# Altium PCB PCB1.PcbDoc (continued)
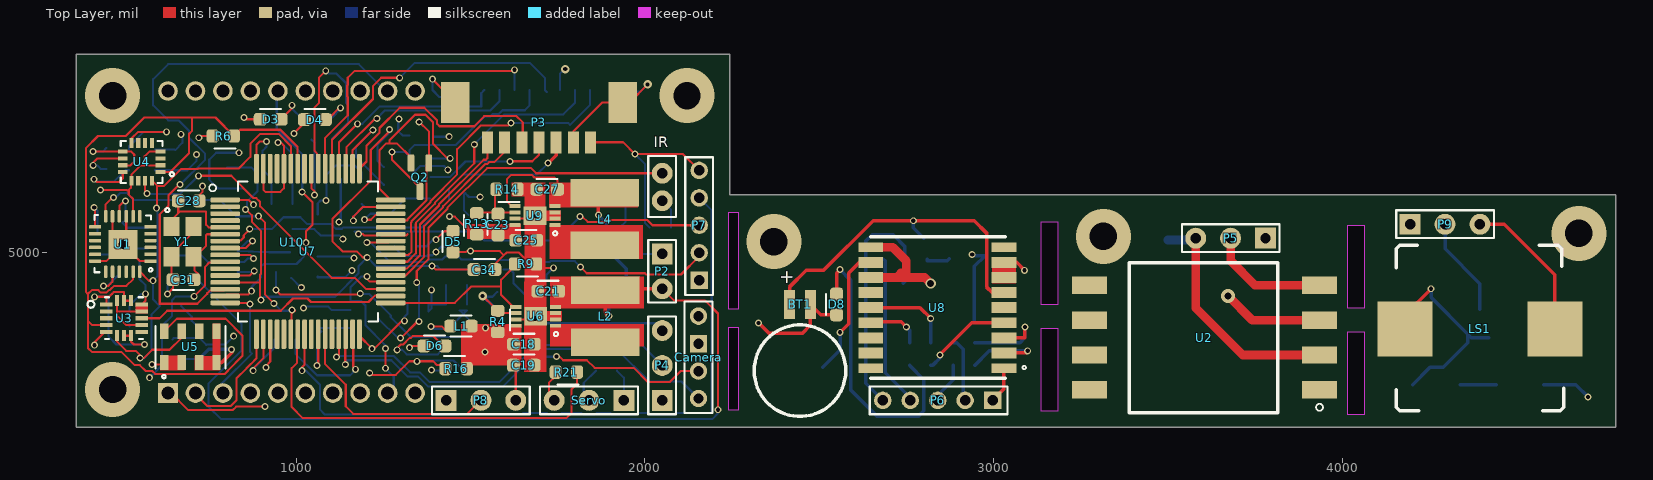
[diagram p0: Top Layer view]
## Nets (pads, with @x,y where several pads share a name; then routed paths per layer and width w, separated by ;. In a path a pad name is that pad's centre, name@x,y a point inside that pad or via, vN(x,y) a via of type N, cw(c..) or ccw(c..) an arc to the next point about the centre after c; other vN are vias at no path point)
3V3: C23.2 C24.2 C25.2 C35.1 C36.1 C39.1 C40.1 C41.1 C45.1 L3.1 P3.1 P6.5 P7.5 Q1.2 Q2.2 R3.2 R13.1 R15.2 R20.2 Rl3.2 U7.1 U7.19 U7.32 U7.48 U7.64 U9.8 U10.1 | length 3640.4
  Top Layer w6: U10.1@629.67,4598.93 630.67,4597.93 639.63,4597.93 690.78,4546.78 817.75,4546.78 827.97,4557 v1(911,4557) ; U7.1 864.36,5149.64 v1(878,5136) ; U7.64 886.36,5308.36 895,5317 v1(915,5317) ; v1(914,4669) 914,4674.54 925.73,4686.27 U7.19 ; U7.32 1181.64,4759.36 v1(1218,4723) 1224,4723 1311,4810 v1(1311,4803) ; U7.48 1239,5182.04 1239,5292 1259,5312 1268,5312 ; Q2.2 1329.41,5271.59 1289,5312 1268,5312 ; v1@1436,5269 v1(1442,5269) 1434,5269 1392.59,5310.41 1392.59,5372.41 1371,5394 1341,5394 1268,5321 1268,5312 ; v1(1440,5102) 1455.29,5102 1508,5049.29 R13.1@1510,5049.29 ; P3.1 1938,5315 v1(1972,5281) 2109.48,5281 P7.5
  Bottom Layer w6: v1(915,5317) 915,5302 904,5291 904,5236 C39.1 C35.1 ; C40.1@1062,4930 1062,4928 C36.1 1141,4928 v1(1160,4947) ; C45.1@1062,5108 1062,5140 1070,5148 v1(1086,5148) 1087,5149 1087,5222 1113,5248 1169,5248 1188,5229 C41.1 ; Rl3.2 1282.29,5013.71 1307.29,4988.71 1374.87,4988.71 1377.16,4991 1391.16,4991 1400.16,5000 v1(1401,5000) 1417,5016 L3.1 ; v1(1311,4803) 1311,4815 1320,4824 C24.2 ; R15.2@1385,5274.29 1390.29,5269 v1(1442,5269) ; v1(1972,5281) 2001,5252 2001,5083.29 R20.2
  Bottom Layer w10: P6.5 2634,4623.52 2634,5032 2652,5050 2712,5050 2745.71,5016.29 2745.71,4915.67 Q1.2
3V3A: C26.2 C34.2 C38.1 C42.1 L3.2 Q5.2 R19.2 U7.13 | length 2068.3
  Top Layer w6: U7.13 894.29,4913.42 897,4916.13 ; v1(855,5122) 857,5122 873,5106 873,5086.87 899,5060.87 899,4938.13 897,4936.13 897,4916.13 ; v1(899,4863.13) 897,4865.13 897,4916.13 ; v1(1204,4985) 1190.87,4985 1173.87,5002 1133,5002 1104,5031 1104,5095 1214,5205 1214,5293 1268,5347 v1(1268,5352) ; v1(1390,4960) 1400,4950 C34.2
  Bottom Layer w6: 802,5243 C38.1 871,5243 889,5225 889,5174 859,5144 859,5126 v1(855,5122) ; v1(899,4863.13) 907.87,4872 1111.87,4872 1179,4939.13 1179,4960 v1(1204,4985) 1229,4960 v1(1390,4960) 1405,4960 1415,4950 C26.2 ; Q5.2 1233.71,5261.33 1233.71,5287 1233.71,5308.71 1268,5343 v1(1268,5352)
5V: C14.2 C18.2 C19.2 C43.1 Camera.1 D11.1 L1.1 LS1.2 P8.3 P9.3 R4.2 R16.2 Rl4.2 Servo.2 U6.8 | length 884.5
  Top Layer w6: C19.2 1630,4669 P8.3
  Top Layer w10: P9.3 4465,5080 4610,4935 LS1.2
  Bottom Layer w6: Rl4.2@1488.71,4736 1509,4736 1531,4714 v1(1542,4714) ; v1(1543,4783) 1544.97,4783 1545.97,4784 1559.97,4770 C14.2 ; Servo.2@1825,4575 1825,4625 C43.1
  Bottom Layer w10: D11.1 4670,4620 v1(4705,4585)
5VA: C1.1 C20.2 C33.2 L1.2 P4.3 P5.3 U2.2 | length 1590.8
  Top Layer w6: v1(1387,4787) 1418,4787 L1.2@1430,4775
  Top Layer w25: P5.3@3580,5030 3580,4840 3715,4705 U2.2
  Bottom Layer w6: v1(1387,4787) 1387,4780 1388,4779 1436,4779 1490,4833 1469,4833 1524,4778 1524,4775.13 1554.13,4745 1554.84,4745 1557.34,4742.5 1647.19,4742.5 1700.7,4796 2029,4796 P4.3 ; C33.2@1490,4850 C20.2@1490,4905
  Bottom Layer w25: C1.1 3575,5035 P5.3@3580,5030
ADC_5V: R16.1 R18.2 U7.10 | length 1529.8
  Top Layer w6: v1(707.71,4873.29) 739,4904.58 739,4957.68 751.8,4970.48 U7.10@794.61,4970.48 ; v1(1211,4653) 1216,4648 1286,4648 1325,4687 v1(1347,4687) 1393,4687 1404,4676 R16.1@1432.29,4676
  Top Layer w10: U7.10@794.61,4970.48 U7.10
  GND w6: v1(580,4640) 586.92,4633.08 726.8,4633.08 727.8,4632.08 773.76,4632.08 774.76,4633.08 805.54,4633.08 806.54,4632.08 852.5,4632.08 853.5,4633.08 884.28,4633.08 885.28,4632.08 931.24,4632.08 932.24,4633.08 963.02,4633.08 964.02,4632.08 1009.98,4632.08 1010.98,4633.08 1041.76,4633.08 1042.76,4632.08 1088.72,4632.08 1089.72,4633.08 1120.5,4633.08 1121.5,4632.08 1167.46,4632.08 1168.46,4633.08 1198.08,4633.08 1211,4646 v1(1211,4653)
  Bottom Layer w6: v1@580,4639 v1(580,4640) 615.5,4675.5 615.5,4788.5 644.58,4817.58 644.58,4862.9 654.97,4873.29 v1(707.71,4873.29) ; v1(1347,4687) 1349.29,4689.29 1451.29,4689.29 1479.58,4661 R18.2
ADC_BAT: R17.1 R25.2 U7.9 | length 331.7
  Top Layer w6: U7.9 867.84,4992.16 v1(878,4982)
  Bottom Layer w6: R25.2 R17.1 728.29,4990.71 747,4972 852,4972 862,4982 v1(878,4982)
ADC_PITOT: C5.1 R1.1 R2.2 U7.8 | length 292.7
  Top Layer w6: U7.8 855.84,5011.84 875,5031 v1(875,5032)
  Bottom Layer w6: C5.1 C5.1@832.71,5003.71 ; v1(875,5032) 861,5032 C5.1@832.71,5003.71 ; R2.2@983,4999.71 923,4999.71 C5.1@832.71,5003.71
DEBUG_RX: P3.7 U7.38 | length 507.4
  Top Layer w6: U7.38 1316.82,4952.79 1355.37,4991.34 1355.37,5066.12 1355.19,5066.3 1355.19,5076.24 1355.37,5076.43 1355.37,5079.33 1409.84,5133.81 1409.84,5136.78 1538.06,5265 1543.94,5265 1548.94,5270 P3.7
DEBUG_TX: P3.6 U7.37 | length 554.1
  Top Layer w6: U7.37 1314.1,4933.1 1367.37,4986.37 1367.37,5071.09 1367.19,5071.27 1367.37,5071.45 1367.37,5074.36 1421.84,5128.84 1421.84,5131.81 1543.03,5253 1548.91,5253 1553.91,5258 1568,5258 1598.15,5288.15 P3.6
ERR_LED: ERR.2 U7.56 | length 241.2
  Top Layer w6: U7.56 1043.84,5183.16 1053,5174 v1(1053,5164)
  Bottom Layer w6: ERR.2@1044,5322.29 1053,5313.29 v1(1053,5164)
GND: BT1.2 C1.2 C3.2 C4.1 C5.2 C6.2 C7.2 C8.2 C9.2 C10.2 C11.2 C12.2 C13.2 C15.2 C16.2 C17.2 C18.1 C19.1 C20.1 C21.2 C22.2 C24.1 C25.1 C26.1 C27.2 C28.1 C29.2 C31.1 C32.2 C33.1 C34.1 C35.2 C36.2 C38.2 C39.2 C40.2 C41.2 C42.2 C43.2 C45.2 Camera.2 Cr.2 D3.2 D4.2 D5.2 D6.2 D8.2 P1.2 P1.3 P1.4 P2.1 P3.2 P4.1 P5.1 P6.1 P7.1 P8.1 P9.1 Q3.2 Q4.2 R2.1 R8.1 R9.1 R14.1 R18.1 R22.2 R23.2 R25.1 Servo.1 U1.1 U1.9 U1.11 U1.18 U1.25 U2.3 U3.5 U3.10 U3.12 U3.13 U3.16 U4.9 U4.11 U5.3 U5.4 U5.5 U6.2 U6.3 U6.7 U6.9 U7.12 U7.18 U7.60 U7.63 U8.1 U8.10 U8.12 U9.2 U9.3 U9.7 U9.9 U10.10 U11.6 U11.9 U11.10 U11.11 U11.12 U11.13 U11.14 Y1.2 Y1.4 | length 7104.7
  Top Layer w6: v1(417.31,5288.37) U4.9 527.31,5288.37 535.84,5279.84 535.84,5259.84 525,5249 U4.11 ; v1(422,4733) 422,4742 451.13,4771.13 U3.5 ; U1.18 455.79,4974.06 v8(504,5022.27) ; U1.11 473.47,5052.8 v8(504,5022.27) ; U3.16 486.82,4828.5 ; U1.25@512.84,5031.11 U1.9 ; U3.10 513.19,4790.82 486.82,4817.19 486.82,4828.5 ; U3.12 488.5,4830.19 486.82,4828.5 ; U3.13 568.5,4861.18 v1(568.5,4880.5) ; U1.1 552.21,4974.06 v8(504,5022.27) ; v1(631,4880) 647,4896 C31.1 ; Y1.2@634.68,4974.06 Y1.2@647.31,4986.69 ; Y1.2@647.31,4999.31 710.31,5062.31 Y1.4@710.31,5073.31 ; C31.1@657.31,4914 643,4928.31 643,4965.92 657.31,4980.23 Y1.2@657.31,5002.31 ; C28.1 724,5149 716,5157 732,5173 v1(732,5189) ; U7.12 866.9,4933.1 879.8,4946 v1(880,4946) ; v1(851,5386) 856,5381 D3.2 ; v1(877,4660) 877,4667 906.05,4696.05 U7.18 ; U7.63 906.05,5178.95 912,5173 955,5173 965.1,5183.1 U7.60 965.1,5305.9 957,5314 v1(948,5314) ; v1(994,5340) 994,5341 1024,5371 D4.2@1024,5386 ; v1(1325,4726) 1330,4731 D6.2 ; v1(1391,5496) 1431,5456 P3.2@1431,5437 ; P3.2@1423.59,5462 1456.42,5429.17 P3.2@1433.3,5452.3 ; D5.2 1487,5000 1490,5003 v1(1500,5003) 1584,5003 1595.8,4991.2 ; C34.1 1570,4965.4 1595.8,4991.2 ; U9.7 U9.9@1676,5096 ; U6.7 U6.9@1678,4807 ; v1(1738,4955) 1682.32,4955 1638.32,4999 1603.6,4999 1595.8,4991.2 ; P3.2@1795,5315 1795,5346 1878.17,5429.17 1936.73,5429.17 1956.17,5429.17 v3(2008,5481)
  Top Layer w10: U5.4 786,4683 815,4712 v1(815,4721) ; v1(2326,4797) 2355,4768 2453,4768 2475,4790 BT1.2 2505,4820 D8.2 ; P6.1 3029.89,4607.41 U8.1
  Top Layer w25: U8.12 2722.39,4927.39 ; U8.10 2711,5014 2750,4975 2750,4940 2735,4940 2722.39,4927.39 ; v6(2820,4910) 2802.61,4927.39 2722.39,4927.39 ; v5(3673,4874) 3742,4805 U2.3
  Bottom Layer w6: v1(417.31,5288.37) 445.53,5288.37 C4.1@455.84,5298.68 ; C9.2 475,4993.27 491.73,5010 v8@516.27,5010 ; C12.2 522.5,4847.5 C11.2 555.5,4880.5 v1(568.5,4880.5) 568.5,4905 551,4922.5 C8.2 551,4975.27 v8@516.27,5010 ; C3.2 v8@516.27,5010 ; C6.2 650.84,5294.84 653,5292.68 674,5313.68 674,5334 v1(670,5338) ; v1(631,4880) 631,4905 643.81,4917.81 R25.1 ; C10.2 C13.2 ; v1@726,5186 729,5189 v1(732,5189) ; C5.2 877,4943 v1(880,4946) ; v1(836,5285) 771,5285 751,5265 751,5208 776,5183 C38.2 ; v1(877,4660) 877,4665 938,4726 C32.2 ; v1(948,5314) 957,5314 990,5281 C39.2 C35.2 ; R2.1@985.85,4926.15 1014,4898 v1(1015,4899) ; Cr.2 1052,5066 C45.2 1124,5048 v1(1134,5038) ; v1(1021,4840) 1024.71,4843.71 1092.47,4843.71 1102.59,4833.59 Q3.2 ; C40.2@1062,4988 C36.2 1161,4988 v1(1166,4983) ; v1(1123,5086) 1128,5091 C22.2 C41.2 ; v1(1295,5382) 1293,5380 1293,5347 1305,5335 C29.2 ; v1(1388,4662) 1389,4661 R18.1 ; v1(1388,4892) 1388,4838 1380,4830 C24.1 1430,4850 C20.1@1430,4905 ; v1(1391,5496) 1391,5465 1411,5445 1426,5445 1441,5460 U11.14 ; U11.12 1482,5118.98 1482,5166 U11.13 1496,5158 v1(1528,5158) ; C26.1 1614,4950 1624,4940 1624,4910 1663.5,4870.5 1718,4925 1718,4935 v1(1738,4955) ; U11.6 1756.54,5511.54 1770,5525 v3(1772,5525) ; C43.2 1940,4640 Servo.1 ; U11.9 1987,5460 v3(2008,5481) ; U11.10 1945,5087 1935,5077 U11.11 1985,4995 P2.1
  Bottom Layer w10: C13.2 749,4721 v1(815,4721)
  other v1: 1687,5104
  other v7: 1685,4810
GPS_RX: P6.3 P7.3 R12.1 U7.43 | length 1318.8
  Top Layer w6: v1(1179,5052) 1190.87,5052 1194.87,5048 1233,5048 1238,5053 1243.78,5047.22 1315.37,5047.22 1319.37,5051.21 ; U7.43@1271,5051 U7.43 ; v1(1814,5102) 1821,5102 1836,5087 1885,5087 1890,5092 2007,5092 2022,5077 P7.3
  Bottom Layer w6: v1@1175.13,5052 1168.13,5059 1514.68,5059 1540.26,5033.42 1745,5033.42 1745,5033 v1(1814,5102)
  Bottom Layer w10: P6.3 2840,4590 2884.29,4634.29 R12.1
GPS_TX: P6.2 P7.2 R10.1 U7.42 | length 1298.5
  Top Layer w6: v1(1202.81,5028) 1264.93,5028 1269.93,5033 U7.42 ; v1(1816,4957) 1833.63,4939.37 2000.36,4939.37 2003.73,4936 2103.97,4936 2156,4988.03 P7.2
  Bottom Layer w6: v1(1202.81,5028) 1207.81,5033 1268.81,4972 1375.13,4972 1382.13,4979 1418,4979 1418.49,4978.51 1426.97,4987 1465.6,4987 1473.43,4979.17 1568.9,4979.17 1570.76,4977.31 1611.98,4977.31 1617.28,4972 1728.13,4972 1730.13,4974 1799,4974 v1(1816,4957)
  Bottom Layer w10: R10.1 2895,4740 2913,4722 2913,4580.74 P6.2
H_BEAT: HBEAT.2 U7.55 | length 553
  Top Layer w6: U7.55 1059.53,5243.4 1059.53,5283.37 1053,5289.91 1053,5415 1066,5428 1066,5501 v1(1085,5520)
  Bottom Layer w6: v1(1085,5520) 1093,5512 1116,5512 1143,5485 1143,5429 1149,5423 1149,5370.29 HBEAT.2@1103,5324.29
I2C_SCL: R6.1 U1.23 U3.4 U4.1 U5.8 U7.58 | length 2586.3
  Top Layer w6: U3.4 415,4790.82 403,4802.82 ; U1.23 532.53,4922.53 513.22,4903.22 478.14,4903.22 472.36,4897.44 472.21,4897.44 465.77,4891 462.94,4891 455.94,4884 440.13,4884 433.13,4891 414.13,4891 403,4879.87 ; U4.1 638.31,5229.31 693,5284 693,5338.87 701,5346.87 701,5386 ; U5.8 658,4809 797.87,4809 846,4760.87 846,4702 804.01,4660.01 804.01,4658.99 796.03,4651 595.87,4651 587.87,4659 569,4659 552,4676 537.03,4676 499.03,4714 414.13,4714 403,4725.13 403,4802.82 ; U7.58 1004.47,5301.66 955.13,5351 839.71,5351 R6.1 768.71,5386 701,5386 ; 403,4802.82 403,4879.87 ; 403,4879.87 396.95,4885.92 396.95,5297.95 432,5333 511.74,5333 564.74,5386 701,5386
I2C_SDA: R5.1 U1.24 U3.6 U4.16 U5.7 U7.59 | length 1423.6
  Top Layer w6: U3.6 486.82,4743.19 513,4717 540,4717 553,4704 v1(553,4696) 563,4696 587,4720 637,4720 672,4755 U5.7 ; U1.24 577.95,4918 v1(590,4918) ; U4.16 601.35,5190 ; v1(600,5126) 601.35,5127.35 601.35,5190 ; U7.59 984.79,5304.37 950.16,5339 897,5339 868.67,5310.67 868.67,5273.67 835,5240 719.87,5240 717.87,5238 669.63,5238 621.63,5190 601.35,5190
  Bottom Layer w6: v1(553,4696) 562,4696 563,4695 585,4717 585,4820.71 609.29,4845 590,4864.29 v1(590,4918) 602.31,4930.31 602.31,5123.69 v1(600,5126)
IMG_RX: Camera.3 U7.30 | length 1223.9
  Top Layer w6: v1(1141,4678) 1141,4761.87 1143,4763.87 U7.30 ; v1(1747,4701) 1755,4701 1766,4690 1834,4690 1856,4668 1968,4668 2009,4627 2071,4627 2103,4659 Camera.3
  Bottom Layer w6: v1(1141,4678) 1141,4690 1273,4690 1320,4643 1350.03,4643 1378.03,4615 1594,4615 1679,4700 1747,4700 v1(1747,4701)
IMG_TX: Camera.4 U7.29 | length 1244.1
  Top Layer w6: v1(1116,4699) 1122.58,4705.58 U7.29
  Bottom Layer w6: v1(1116,4699) 1113,4702 1113,4703 1115,4703 1116,4702 1280,4702 1327,4655 1355,4655 1383,4627 1583,4627 1678,4722 1920,4722 2013,4629 2105.26,4629 Camera.4
INT_H3LIS: U3.11 U7.34 | length 750.5
  Top Layer w6: U3.11 608.5,4810.5 630,4832 956,4832 991,4867 1032.7,4867 1042.7,4857 1207.56,4857 1226.6,4876.04 1269.41,4876.04 U7.34
INT_HMC: U4.15 U7.35 | length 902.3
  Top Layer w6: U4.15 566.95,5173.05 v1(572,5168) v1@573,5167 ; v1(720,5219) 814,5219 878,5155 885.87,5155 897,5143.87 897,5131.13 1102.13,4926 1168.7,4926 1200.97,4893.73 U7.35
  Bottom Layer w6: v1@573,5167 668,5167 v1(720,5219)
INT_MPU: U1.12 U7.22 | length 936.9
  Top Layer w6: U1.12 453.79,5136.79 474,5157 v1(476,5157) ; v1(892,5103) 911,5084 911,4878 v1(936,4853) ; U7.22 986.78,4766.59 986.78,4822.78 996,4832 994,4834 v1(988,4834)
  Bottom Layer w6: v1(476,5157) 479.5,5153.5 495.01,5169 515.87,5169 530,5154.87 530,5154 535,5149 782,5149 828,5103 v1(892,5103) ; v1(936,4853) 957,4832 993,4832 991,4834 v1(988,4834)
NetBT1_1: BT1.1 R7.2 U8.6 | length 982.1
  Top Layer w10: BT1.1 2415,4900 2462.5,4947.5 2512.5,4947.5 2655,5090 v1(2770,5090) 2945,5090 2980,5055 2980,4900 2995.92,4884.08 U8.6
  Bottom Layer w10: v1(2770,5090) 2770,5070 R7.2@2800,5040
NetC2_1: C2.1 U4.8 | length 253.8
  Top Layer w6: U4.8 527.58,5325.7 546.88,5345 v1(628,5345)
  Bottom Layer w6: C2.1 520.84,5302.84 563,5345 v1(628,5345)
NetC2_2: C2.2 U4.12 | length 225.3
  Top Layer w6: v1(420,5209) 428,5201 493,5201 502.98,5210.98 U4.12
  Bottom Layer w6: v1(420,5209) 426,5203 479,5203 510.84,5234.84 C2.2
NetC3_1: C3.1 U1.10 | length 198.9
  Top Layer w6: U1.10 493.16,5132.16 508,5147 v1(511,5147)
  Bottom Layer w6: v1(511,5147) 511,5093 502,5084 516,5070 C3.1
NetC4_2: C4.2 U4.10 | length 139.9
  Top Layer w6: v1(418,5249) 418,5257 429.68,5268.68 U4.10
  Bottom Layer w6: v1(418,5249) 429.53,5249 439.84,5238.68 C4.2@455.84,5238.68
NetC8_1: C8.1 U1.20 | length 130.8
  Top Layer w6: v1(448,4903) 460.8,4903 467.24,4909.44 467.39,4909.44 473.47,4915.53 U1.20
  Bottom Layer w6: v1(448,4903) 458,4903 491,4936 C8.1
NetC14_1: C14.1 R4.1 R8.2 U6.6 | length 233.6
  Top Layer w6: v4(1535,4874) 1536,4874 1568,4842 1568,4831.71 1574.71,4825 U6.6
  Bottom Layer w6: v4@1538,4872 1563.29,4872 R8.2@1577.29,4886
  Bottom Layer w10: v4(1535,4874) 1536,4874 1538,4872 1580,4830 C14.1
NetC22_1: C22.1 U7.47 | length 193.9
  Top Layer w6: v1(1164,5090) 1164,5102 1191.95,5129.95 U7.47
  Bottom Layer w6: v1(1164,5090) 1164,5102 1194,5132 C22.1
NetC23_1: C23.1 R13.2 R14.2 U9.6 | length 305.8
  Top Layer w6: R13.2@1510,5110.71 R13.2@1513.29,5114 ; C23.1@1570,5110 C23.1@1570,5114 ; R14.2 1570,5175.71 C23.1@1570,5114 ; R13.2@1513.29,5114 C23.1@1570,5114 ; R13.2@1513.29,5114 C23.1@1570,5114 ; C23.1@1570,5114 U9.6 C23.1@1570,5114
NetC32_1: C32.1 U7.31 | length 349.8
  Top Layer w6: U7.31 1163.95,4762.6 1163.95,4670.05 v1(1170,4664)
  Bottom Layer w6: C32.1 998,4709 1060,4647 1155,4647 1170,4662 v1(1170,4664)
NetD1_2: D1.2 R7.1 | length 69.5
  Bottom Layer w10: R7.1 2810,4975.71 2867.71,4975.71 D1.2@2873.5,4981.5
NetD3_1: D3.1 ERR.1 | length 129.6
  Top Layer w6: D3.1 988,5412 v1(988,5421)
  Bottom Layer w6: v1(988,5421) 988,5412 1016.29,5383.71 ERR.1@1044,5383.71
NetD4_1: D4.1 HBEAT.1 | length 92.8
  Top Layer w6: D4.1@1084,5386 1096,5386 1124,5414 v1(1127,5414)
  Bottom Layer w6: HBEAT.1@1103,5385.71 1127,5409.71 v1(1127,5414)
NetD5_1: D5.1 Rl3.1 | length 124.1
  Top Layer w6: v1(1401,5035.63) 1425.37,5060 D5.1
  Bottom Layer w6: Rl3.1 1374,5017 1392.63,5035.63 v1(1401,5035.63)
NetD6_1: D6.1 Rl4.1 | length 319.1
  Top Layer w6: v1(1290,4720) 1290,4725 1300,4735 1307.13,4735 1326.13,4754 1329,4754 1334,4759 1394,4759 1422,4731 D6.1
  Bottom Layer w6: v1(1290,4720) 1304.13,4720 1317.13,4707 1406.29,4707 Rl4.1
NetD8_1: D8.1 Rl6.1 | length 825.7
  Top Layer w10: D8.1 2550,4940 v1(2560,4950)
  Bottom Layer w10: v1(2560,4950) 2590,4920 2590,4605 2665.02,4529.98 2784.98,4529.98 2800,4545 2800,4634.29 Rl6.1@2759.29,4675
NetD10_1: D10.1 LS1.1 Q4.3 | length 616.7
  Top Layer w10: LS1.1 4180,4820 v1(4255,4895)
  Bottom Layer w10: D10.1 4251.89,4670 4290,4670 4360,4740 4360,4765 ; v1(4255,4895) 4255,4870 4360,4765 ; Q4.3 4370.55,4754.45 4360,4765
NetD10_2: D10.2 D11.2 | length 103.8
  Bottom Layer w10: D10.2 D11.2
NetIR1_1: IR.1 R20.1 | length 86.7
  Bottom Layer w6: IR.1 2074.71,5122.73 R20.1
NetIR1_2: IR.2 Q3.3 | length 1193.6
  Top Layer w6: v1(1299,4754) 1299,4751.87 1348.13,4801 v1(1352,4801) ; v1(1346,4913) 1346,4946 1379.37,4979.37 1379.37,5069.39 1433.84,5123.87 1433.84,5126.84 1548,5241 1674,5241 1688.82,5226.18 IR.2
  Bottom Layer w6: Q3.3 1291.55,4754 v1(1299,4754) ; v1(1346,4913) 1352,4907 v1(1352,4801)
NetL2_2: L2.2 U6.1
NetL4_2: L4.2 U9.1
NetP3_4: P3.4 R24.2 | length 373.8
  Top Layer w6: v1(1613,5260) 1613,5260.57 1677.57,5260.57 1696.57,5279.57 P3.4
  Bottom Layer w6: R24.2@1385,5215.71 1441.58,5215.71 1485.87,5260 v1(1613,5260)
NetR10_2: R10.2 U8.3 | length 272
  Top Layer w10: U8.3 3090,4754.16 3090,4783.83 v1(3090,4785)
  Bottom Layer w10: R10.2 3075.84,4740 3090,4754.16 v1(3090,4785)
NetR11_1: R11.1 U8.15 | length 158.1
  Top Layer w10: U8.15 2650.54,4800 2735,4800 v1(2750,4785)
  Bottom Layer w10: v1(2750,4785) 2759.29,4775.71 R11.1@2759.29,4740
NetR11_2: R11.2 U8.14 | length 255
  Top Layer w10: U8.14 2789.23,4840.77 v1(2820,4810)
  Bottom Layer w10: v1(2820,4810) 2820,4740.71 R11.2@2820.71,4740
NetR12_2: R12.2 U8.2 | length 240.3
  Top Layer w10: U8.2 3091.85,4710.85 v1(3098,4717)
  Bottom Layer w10: R12.2 2987.71,4717 v1(3098,4717)
NetR21_2: R21.2 Servo.3 | length 143
  Top Layer w6: R21.2@1744.29,4660 1744.29,4644.29 1725,4625 ; 1725,4625 1725,4575 1725,4625
NRST: Cr.1 P3.3 U7.7 | length 1140.9
  Top Layer w6: U7.7 798.59,5033.52 841.4,5033.52 849.92,5042.04 849.92,5047.92 867,5065 v1(867,5066)
  Top Layer w10: v1(1722,5256) 1724,5256 1745.79,5277.79 P3.3
  Bottom Layer w6: v1(867,5066) Cr.1 964,5100 1012,5100 1031.71,5080.29 1100.71,5080.29 1114,5067 1130.87,5067 1134.87,5071 1361,5071 1439,5149 1439,5183 1479,5223 1691,5223 1722,5254 v1(1722,5256)
ON: C6.1 C7.1 C9.1 C10.1 C11.1 C12.1 C13.1 Q5.3 R5.2 R6.2 U1.8 U1.13 U3.1 U3.7 U3.8 U3.14 U3.15 U4.2 U4.4 U4.13 U5.1 U5.2 | length 2497.8
  Top Layer w6: U1.13@411.52,5072.48 U1.13 423.47,5125.47 420.94,5128 v1(421,5128) ; v1(422,4872) 463.74,4872 470.74,4879 470.88,4879 471.91,4880.03 471.91,4880.17 477.18,4885.44 477.33,4885.44 477.38,4885.5 506.5,4885.5 U3.15 U3.14 ; v1(439,5178) 515.11,5178 520.11,5173 ; 455.81,4872 U3.1 U3.1@457.5,4851.56 ; U3.7 U3.8 526.19,4743.82 535,4735 v1(565,4735) ; 520.03,5178.39 526.11,5184.48 526.11,5203.24 U4.13 527.76,5204.88 527.76,5221.76 555,5249 565.84,5249 ; 520.11,5176.57 520.11,5173 ; U1.8 532.53,5152.34 520.11,5164.76 520.11,5173 ; v1(587,4678) 613,4678 615,4676 U5.1 U5.1@622,4676 ; U4.2 565.84,5249 ; U4.4 579.37,5288.37 565.84,5274.84 565.84,5249 ; v1(721,5328) 716,5333 R6.2
  GND w6: v1(714,5280) 714,5250 726,5238 1433,5238 v1(1435,5236)
  Bottom Layer w6: v1(421,5128) 431,5118 C9.1 ; 450,4872 v1(422,4872) 463,4872 462.5,4871.5 C12.1 462.5,4757.5 485,4735 v1(565,4735) ; C6.1 C7.1 687.84,5234.84 714,5261 v1(714,5280) ; C10.1@646,4750 C10.1 C13.1 ; R5.2@670.71,4845 700.71,4815 700.71,4803.29 722,4782 C13.1 ; v1@721,5323 v1(721,5328) ; v1(821,4759) 797,4735 743.2,4735 742.2,4734 742,4734 C13.1 ; Q5.3 1332.55,5223.55 1356,5247 1424,5247 v1(1435,5236)
PH0: C28.2 U7.5 Y1.1 | length 258.4
  Top Layer w6: Y1.1@647.31,5073.31 647.31,5097.31 662,5112 ; C28.2 662,5112 ; U7.5 749.1,5070.9 742,5078 742,5117 667,5117 662,5112
PH1: C31.2 U7.6 Y1.3 | length 223.6
  Top Layer w6: Y1.3@710.31,4986.69 742,5018.39 742,5049 744.21,5051.21 U7.6 ; C31.2@718.81,4914 720.31,4915.5 720.31,4935.8 709,4947.1 709,4965.09 720.31,4976.39 Y1.3@720.31,4996.69
PWM_BUZZER: P8.2 P9.2 Q4.1 R23.1 U7.27 | length 929.8
  Top Layer w6: U7.27 1083.21,4678.79 1142.26,4619.74 1142.26,4557.74 1164,4536 1491,4536 P8.2
  Bottom Layer w10: P9.2 4295,5009.29 4394.41,4909.88 Q4.1
PWM_LED: Q3.1 R22.1 U7.26 | length 310.7
  Top Layer w6: v1(1060,4675) 1064.06,4675 1065.06,4674 1063.53,4672.47 U7.26
  Bottom Layer w6: v1(1060,4675) 1060,4760.29 1072,4772.29 1062,4782.29 1156.33,4782.29 Q3.1
PWM_SERVO: R21.1 U7.23 | length 1165.8
  Top Layer w6: U7.23 1003,4763.13 1003,4683 987,4667 987,4556 1019,4524 1775,4524 1790,4539 1790,4607 1805.71,4622.71 R21.1@1805.71,4660
RF_IN: P1.1 U8.11 | length 376.8
  Top Layer w10: v1(2560,4770) 2585,4795 2585,4940 2615.69,4970.69 U8.11
  Bottom Layer w10: P1.1 2560,4720 v1(2560,4770)
SD_LED: U7.57
SDIO_CLK: U7.53 U11.5 | length 866.1
  Top Layer w6: U7.53 1102.9,5321.77 1220.44,5439.31 1220.44,5446.12 1221,5446.68 1221,5477.02 1243.98,5500 v1(1297,5500)
  Bottom Layer w6: v1(1297,5500) 1339,5542 1671,5542 1713.23,5499.77 U11.5 U11.5@1719,5459.23
SDIO_CMD: U7.54 U11.3 | length 834.3
  Top Layer w6: U7.54 1083.21,5327.54 1148,5392.33 1148,5445.38 1146.7,5446.68 1146.7,5477.46 1148,5478.76 1148,5500 1167,5519 1622,5519 v1(1626,5523)
  Bottom Layer w6: v1(1626,5523) 1626,5465.61 U11.3
SDIO_D0: U7.39 U11.7 | length 838.8
  Top Layer w6: U7.39 1319.53,4972.47 1343.37,4996.31 1343.37,5061.15 1343.19,5061.33 1343.19,5081.22 1343.37,5081.4 1343.37,5084.3 1397.84,5138.78 1397.84,5141.75 1511,5254.91 v1(1511,5309)
  Bottom Layer w6: v1(1511,5309) 1597,5395 1766,5395 1799.84,5428.84 U11.7
SDIO_D1: U7.40 U11.8 | length 893.7
  Top Layer w6: U7.40 1322.25,4992.16 1331.37,5001.28 1331.37,5056.18 1330,5057.55 1330,5085 1331.37,5086.37 1331.37,5089.27 1385.84,5143.75 1385.84,5146.72 1462,5222.88 1462,5295.37 1530.31,5363.69 1609.69,5363.69 v1(1616,5370)
  Bottom Layer w6: v1(1616,5370) 1781,5370 1786,5365 1843.15,5422.15 U11.8
SDIO_D2: U7.52 U11.1 | length 577.2
  Top Layer w6: U7.52 1122.58,5314.58 v1(1176,5368)
  Bottom Layer w6: v1(1176,5368) 1189.63,5368 1239.63,5418 1531,5418 1531,5456 U11.1
SDIO_D3: U7.51 U11.2 | length 588.6
  Top Layer w6: U7.51 1144.26,5241.39 1144.26,5301.13 1226.13,5383 v1(1231.5,5383)
  Bottom Layer w6: v1(1231.5,5383) 1254.5,5406 1557,5406 1583.31,5432.31 U11.2
SHDN_IN: R9.2 U6.5 U7.33 | length 476.3
  Top Layer w6: U7.33 1455.36,4854.36 1503,4902 1588,4902 ; R9.2@1614.29,4950 1614.29,4947.18 1588,4920.89 1588,4902 ; U6.5 1622,4843 1588,4877 1588,4902
SLEEP_RQ: U7.36 U10.9 | length 568.2
  Top Layer w6: v1(1203,4930) 1203,4928 1201,4930 1197,4930 1211.59,4915.41 1269.41,4915.41 U7.36 ; v1(1256,4667) v1(1256,4724)
  Bottom Layer w6: v1(1203,4930) 1187,4930 1156,4899 1156,4860 1186,4860 1199,4847 1199,4790 1256,4733 v1(1256,4724) ; v1(1256,4667) 1280,4643 1280,4588 1259.59,4608.41 U10.9@1259.59,4598.93
SWCLK: P3.5 U7.49 | length 680.3
  Top Layer w6: U7.49 1202,5259.76 1202,5305.13 1239,5342.13 1239,5355.87 1297.13,5414 1367.97,5414 1404.59,5377.38 1404.59,5367.88 1411.35,5361.12 1510.78,5361.12 1539.66,5390 1632,5390 1650,5372 1650,5317.64 P3.5
SWDIO: R24.1 U7.46 | length 296.1
  Top Layer w6: v1(1196,5093) 1214.15,5093 1227.43,5106.27 1267.94,5106.27 1271.67,5110 U7.46
  Bottom Layer w6: v1(1196,5093) 1213,5110 1270,5110 1313.29,5153.29 R24.1@1384,5153.29
TIMEPULSE: Rl6.2 U8.4 | length 265.8
  Top Layer w10: v1(2847,4705) 2847,4707 2937.46,4797.46 U8.4
  Bottom Layer w10: Rl6.2@2820.71,4675 2825,4675 2847,4697 v1(2847,4705)
V_PIT: P4.2 P5.2 R1.2 U2.4 | length 1619.3
  Top Layer w6: v1(942,4891) 954,4879 1182,4879 v1(1184,4881)
  Top Layer w25: P5.2@3680,5030 3680,4975 3750,4905 U2.4
  Bottom Layer w6: v1(942,4891) R1.2@942,4942.29 ; v1@1184,4880 1210.12,4880 1271.55,4818.57 1271.55,4813.45 1328,4757 1524,4757 1548,4733 1549.87,4733 1558.87,4724 1645.67,4724 1655.67,4734 1848,4734 1871,4757 1968,4757 P4.2
VBAT: C21.1 C27.1 L2.1 L4.1 P2.2 R17.2 U6.4 U9.4 U9.5 | length 3357.2
  Top Layer w6: U9.5 1618,5132 1605,5145 1605,5210 1616,5221 1677.03,5221 1683.85,5214.18 1740.82,5214.18 1750,5205 C27.1 ; L2.1 L2.1@1891,4895 ; P2.2 2084,4861 2173,4861 2210,4824 v1(2210,4548)
  Top Layer w10: v1(1867,5106) 1867,5152 L4.1 ; L2.1 1887,4827 v1(1897,4817) ; L2.1@1891,4895 P2.2
  Bottom Layer w6: R17.2 843,4795.1 843,4717 748.56,4622.56 748.56,4557.44 785,4521 2193,4521 2210,4538 v1(2210,4548)
  Bottom Layer w10: v1(1867,5106) 1889,5084 1889,5010 1947,4952 1947,4890 1897,4840 v1(1897,4817)
VCC_G: C15.1 C16.1 C17.1 D1.1 Q1.3 U8.7 U8.8 | length 315.6
  Top Layer w10: U8.8 3066.31,4970.69 v1(3089,4948)
  Bottom Layer w10: v1(2939,4993) 2936,4990 2976,4990 2945,4959 C17.1 C15.1 C16.1
VDD_SD: C29.1 Q2.3 U11.4 | length 662.5
  Top Layer w6: v1(1275,5287) 1275,5265.39 1355,5185.39 Q2.3
  Bottom Layer w6: v1(1275,5287) 1307,5287 1310,5290 C29.1 1325,5292 1340.5,5307.5 1458.5,5307.5 1540,5389 1556.97,5389 1564.66,5396.69 1581.72,5396.69 1592.03,5407 1656,5407 1669.92,5420.92 U11.4
XB_CTS: U7.14 U10.12 | length 1703.1
  Top Layer w6: v1(667,5194) 664.72,5194 634.5,5163.78 634.5,5133.63 609,5108.13 609,5079.76 609.05,5079.71 609.05,5065.26 609,5065.21 609,5060.07 609.05,5060.02 609.05,5045.57 609,5045.52 609,5040.39 609.05,5040.34 609.05,5025.89 609,5025.84 609,5020.7 609.05,5020.65 609.05,5006.2 609,5006.15 609,5001.02 609.05,5000.97 609.05,4986.52 609,4986.47 609,4981.33 609.05,4981.28 609.05,4966.83 609,4966.78 609,4852.05 717.05,4852.05 745.28,4880.28 745.28,4882.39 752.63,4889.74 792.61,4889.74 U7.14
  Bottom Layer w6: v1(667,5194) 668.13,5194 739,5264.87 739,5269.97 739.13,5270.1 739.13,5281.87 693,5328 693,5347.87 662.87,5378 633,5378 590,5421 590,5496 633,5539 1179.66,5539 U10.12@1257.59,5461.07
XB_RTS: U7.15 U10.16 | length 836.2
  Top Layer w6: U7.15 800.59,4878.04 862.04,4878.04 v1(872,4888) ; v1(1017.5,5172.5) 1047,5143 1047,5078 1028,5059 v1(1028,5027)
  Bottom Layer w6: v1@880,4888 v1(872,4888) 872,4900 899,4927 899,4958 907,4966 1001,4966 1028,4993 v1(1028,5027) ; U10.16@944.63,5465.07 944.63,5353.24 1017.5,5280.37 v1(1017.5,5172.5)
XB_RX: U7.16 U10.3 | length 366.4
  Top Layer w6: U7.16 869.36,4854.36 868,4853 v1(868,4851)
  Bottom Layer w6: U10.3@787.15,4598.93 787.15,4623.15 873,4709 868,4714 v1(868,4851)
XB_TX: U7.17 U10.2 | length 360.1
  Top Layer w6: U10.2@708.41,4598.93 708.41,4595.59 745.22,4558.78 812.78,4558.78 829,4575 829,4637.13 828.57,4637.56 858,4667 858,4667.87 869.13,4679 870,4679 886.36,4695.36 U7.17
~GPS_EN: P6.4 P7.4 Q1.1 R3.1 U7.24 | length 2464.1
  Top Layer w6: v1(1017,4660) 1017,4669.68 1024.16,4676.84 U7.24
  Bottom Layer w6: v1(1017,4660) 1026,4660 1027,4661 1069,4619 1069,4612.36 1067.96,4611.32 1067.96,4549.04 1083,4534 1464.56,4534 1466.56,4536 1648.98,4536 1651.98,4539 1718.02,4539 1723.02,4534 1756.98,4534 1761.98,4539 1818.02,4539 1823.02,4534 1856.98,4534 1861.98,4539 1900.44,4539 1905.44,4534 1974.56,4534 1979.56,4539 2010.44,4539 2015.44,4534 2084.56,4534 2089.56,4539 2190.03,4539 2191.08,4540.05 2191,4540.13 2191,4555.87 2192,4556.87 2192,5119.74 P7.4
  Bottom Layer w10: R3.1@2684.29,4980 2689.41,4974.88 2689.41,4654.59 2761.26,4582.74 P6.4
~ON_SENS: Q5.1 R19.1 U7.50 | length 346
  Top Layer w6: U7.50 1161.95,5292.95 1219,5350 v1(1220,5350)
  Bottom Layer w6: v1(1220,5350) 1219,5350 1172.29,5303.29 1172.29,5287 1172.29,5272.71 1205.69,5239.31 1205.81,5239.31 1251.45,5193.66 Q5.1
~SD_EN: Q2.1 R15.1 U7.45 | length 517.1
  Top Layer w6: U7.45 1318.61,5090.58 1319.37,5091.34 1319.37,5094.24 1373.84,5148.72 1373.84,5248.8 Q2.1 1380.59,5346.41 1354,5373 v1(1353,5373)
  VCC w6: v1(1353,5373) 1354,5373 1396,5331 v1(1439,5331)
  Bottom Layer w6: R15.1@1392.59,5331 v1(1439,5331)
pads on no net: U1.2 U1.3 U1.4 U1.5 U1.6 U1.7 U1.14 U1.15 U1.16 U1.17 U1.19 U1.21 U1.22 U2.1 U2.5 U2.6 U2.7 U2.8 U3.2 U3.3 U3.9 U4.3 U4.5 U4.6 U4.7 U4.14 U5.6 U7.2 U7.3 U7.4 U7.11 U7.20 U7.21 U7.25 U7.28 U7.41 U7.44 U7.61 U7.62 U8.5 U8.9 U8.13 U8.16 U8.17 U8.18 U10.4 U10.5 U10.6 U10.7 U10.8 U10.11 U10.13 U10.14 U10.15 U10.17 U10.18 U10.19 U10.20
copper on no net:
  other v2: 474,4606 2370,5030 3315,5045 4679,5054 474,5449 2121,5449

## Polygon pours and split planes (outlines as drawn)
GND on GND "GND_L02_P004" (solid, remove dead copper, pour order 4): 395.08,5552 2245.03,5552 2245.03,5155 4845,5160.02 4845,4459 2356,4459 398,4459 393,4464
3V3 on VCC "3v3" (solid, remove dead copper, pour order 14): 840.2,5520.01 2215.03,5520.02 2215,5185 2215.03,5009 1442,5009 1442,4510 840.2,4499
ON on VCC "ON" (solid, remove dead copper, pour order 16): 395,5532 693,5532 850,5532 850,5375 850,4504.98 395.01,4510
5V on VCC "5V" (solid, remove dead copper, pour order 18): 3162.64,5150 4785,5150 4785,4510 4780,4505 3167.64,4505
VCC_G on VCC "VCC_G" (solid, remove dead copper, pour order 20): 2255,5155 3100,5155 3125,5130 3125,4505 2250,4505 2245,4510
5V on VCC "5V" (solid, remove dead copper, pour order 24): 1440.39,5009 2212,5009 2212,4856 2212,4510 1444.62,4510
GND on Bottom Layer "GND" (solid, remove dead copper, pour order 22): 2260,5155 2270,5145 3120,5145 4785,5155 4785,4510 2255,4505

## Other copper
Top Layer:
  region net ON: 680,4660 680,4704 610,4704 610,4660
  region net 5V: 1646,4794 1473,4794 1473,4675 1646,4675
  region net GND: 1715,5200 1618,5200 1618,5160 1715,5160
  region net GND: 1760,5120 1655,5120 1655,5090 1760,5090
  region net GND: 1763,4831 1663,4831 1663,4802 1763,4802
  region net GND: 1715,5200 1655,5200 1655,4875 1715,4875
  region net GND: 1668,4916 1655,4916 1655,4876 1668,4876
  region net GND: 1718,4916 1653,4916 1653,4656 1718,4656
  region net GND: 782,4661 782,4702 709,4702 709,4661
  region net GND: 575.5,4824.5 575.5,4854.5 539.5,4854.5 539.5,4824.5
  region net NetL2_2: 1997,4794 1728,4794 1728,4730 1997,4730
  region net NetL4_2: 1995,5078 1726,5078 1726,4980 1995,4980
  region net VBAT: 1997,4930 1728,4930 1728,4838 1997,4838
  region net VBAT: 1981,5200 1725,5200 1725,5128 1981,5128
  rectangle net VCC_G: 2995,4910 3065,4985
  region net 3V3: 1645,5080 1490,5080 1490,5038 1645,5038
  rectangle net GND: 760,4671 783,4795

## Silkscreen, mask and mechanical layers (free items; w line width, h text height)
Mechanical 13:
  lines w6: 369,4498 369,5568 2243,5568 2243,5165 ; 2240,4548 2240,4788 2270,4788 2270,4548 2240,4548 ; 2240,4838 2240,5113 2270,5113 2270,4838 2240,4838
  lines w10: 369,4498 3998,4498 4785,4498 4785,4780 4785,5165 2243,5165 ; 3135,4545 3185,4545 3185,4785 3135,4785 3135,4545 ; 3135,4850 3185,4850 3185,5090 3135,5090 3135,4850 ; 4015,4535 4015,4775 4065,4775 4065,4535 4015,4535 ; 4015,4840 4015,5080 4065,5080 4065,4840 4015,4840

## Text inside footprints (layer, text, board x,y; h text height)
BT1: Top Overlay "+" at 2425,4905 h40 r90